# Allegro board Learn.brd (continued)
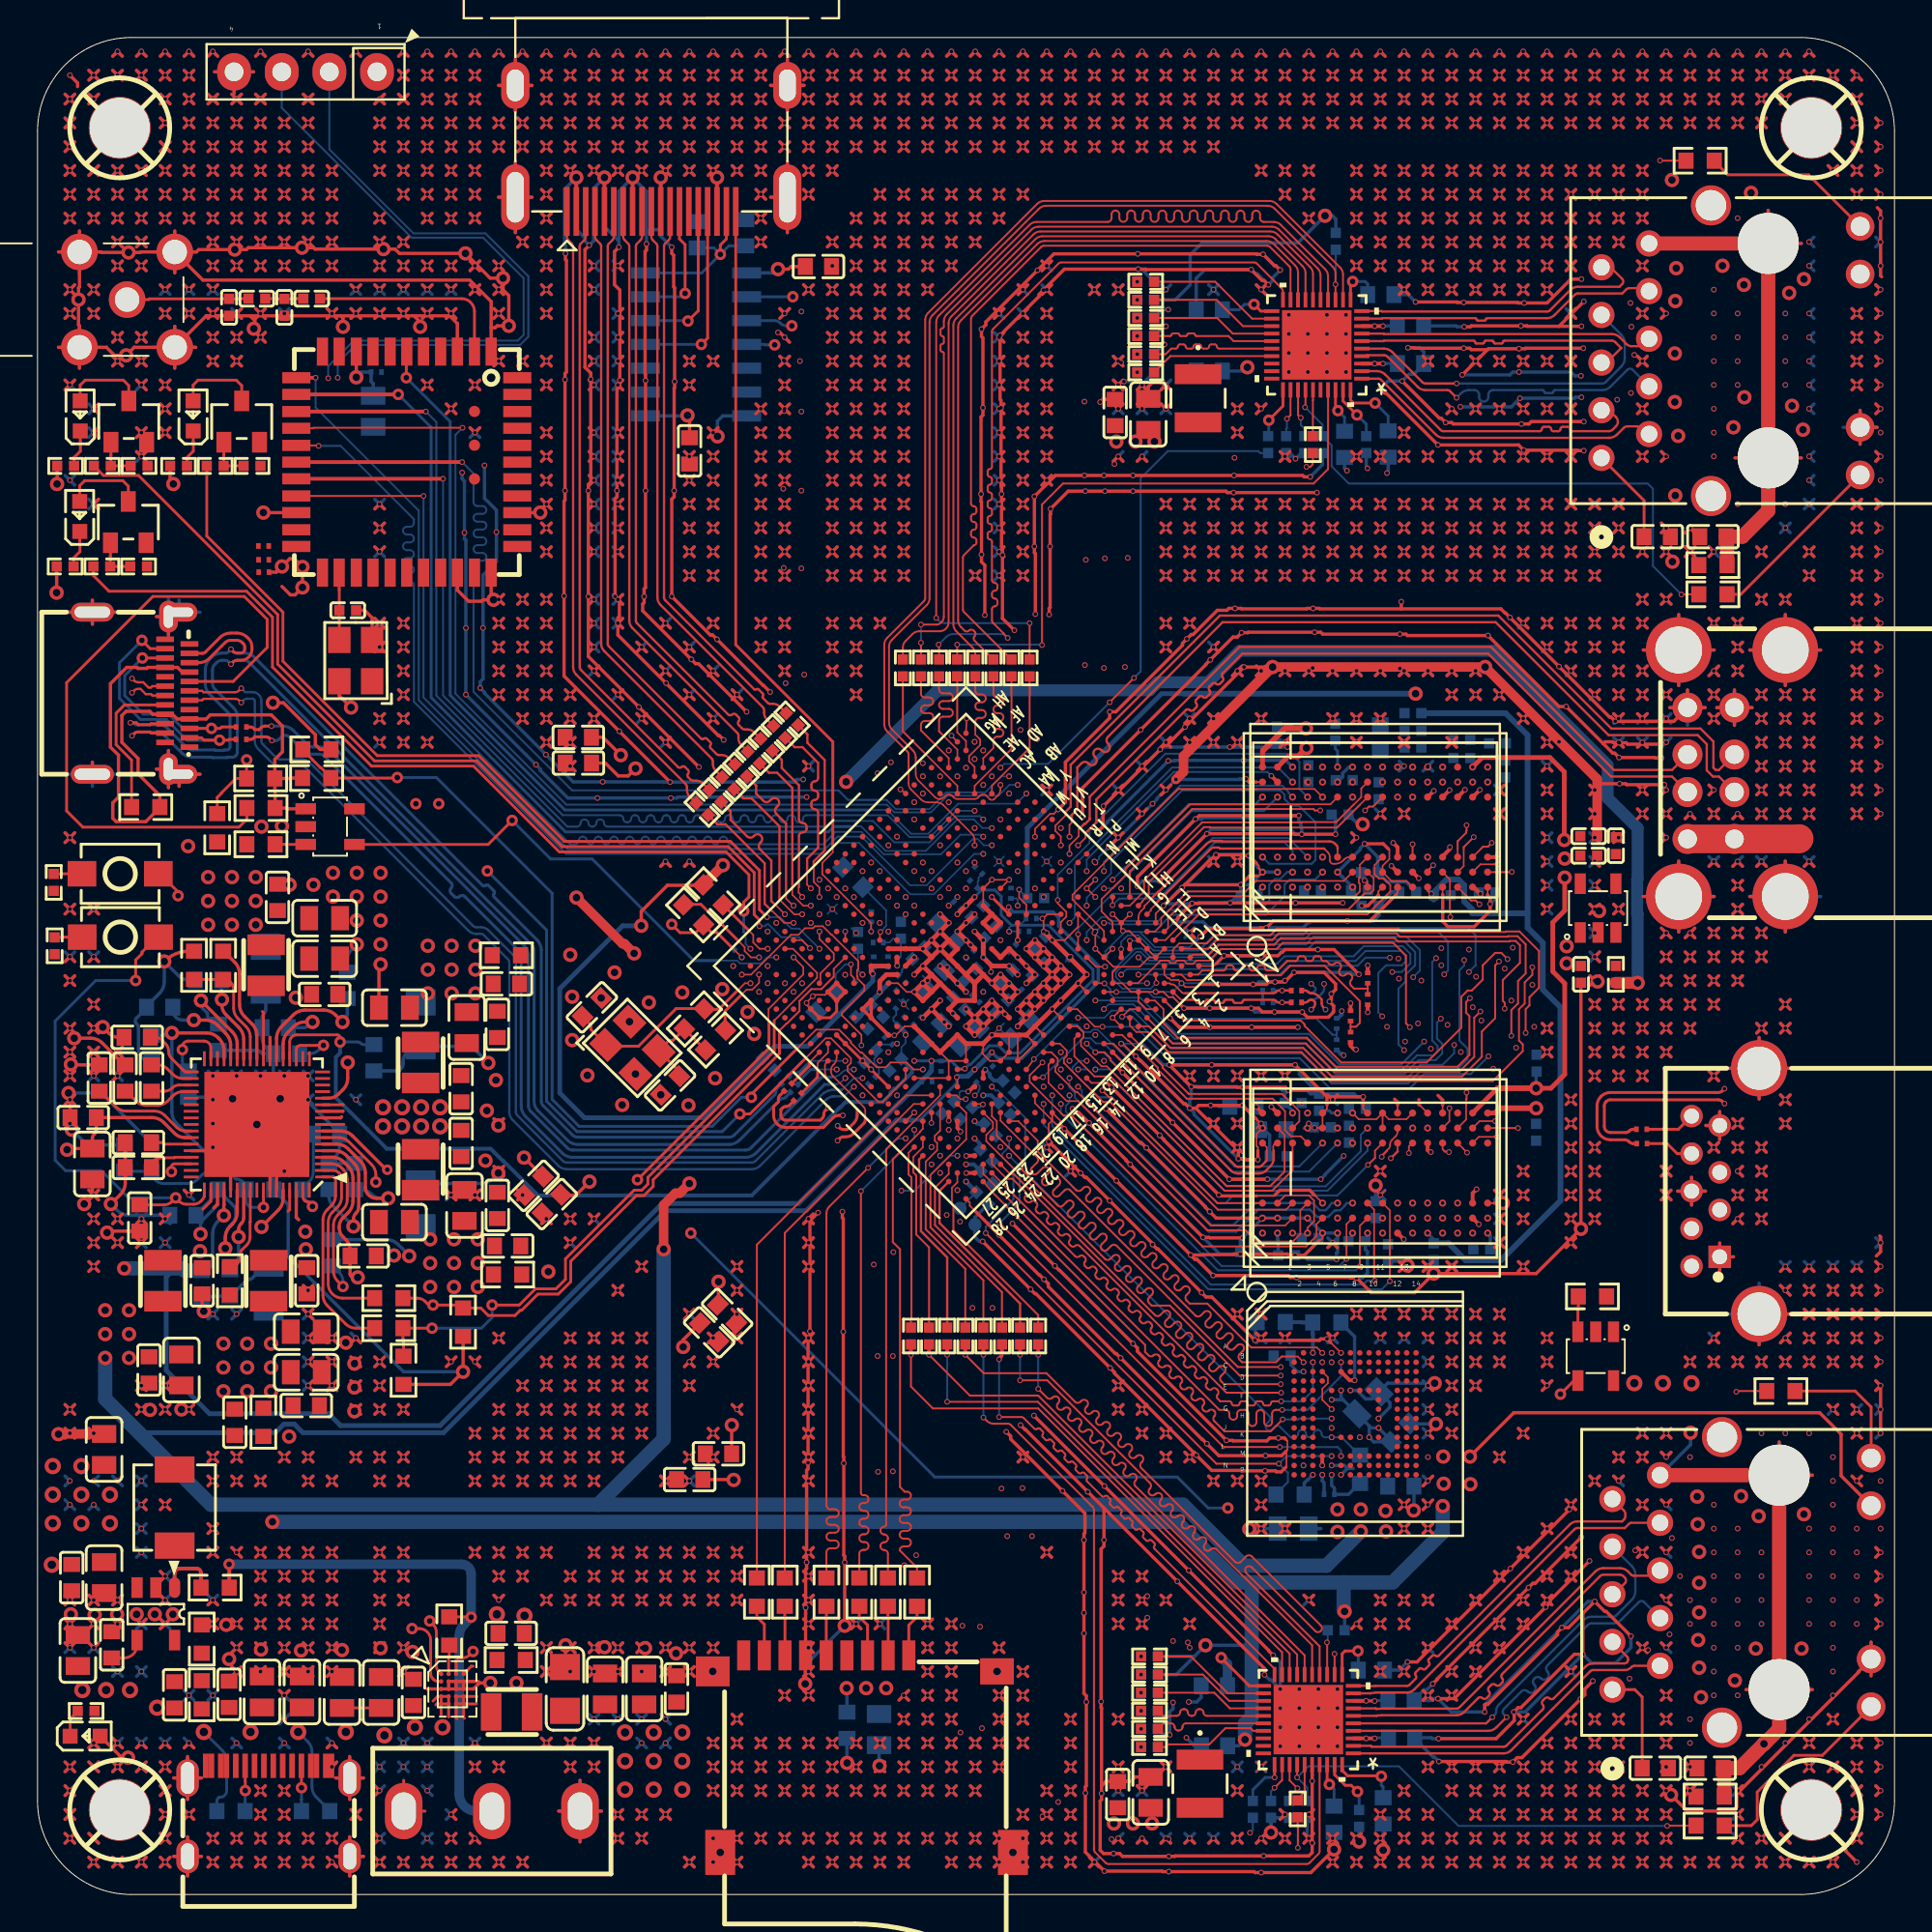
[diagram p0: board, top side]
## Routing (per net, layer and track width the routed paths; a pad name or vN(x,y) marks a point on that pad's centre or on a via; arc(x,y) is an arc through that point) (continued)
23.57,17.98 ; v1(23.31,18.23) 23.57,18.49 ; v1(23.31,18.23) 23.06,18.49 ; 9.09,85.8 v1(9.34,85.54) 9.6,85.8 ; 57.35,92.91 v1(57.6,93.16) ; v1(57.6,93.16) 57.86,92.91 ; v1(57.6,93.16) 57.35,93.42 ; v1(57.6,93.16) 57.86,93.42 ; 56.08,96.72 v1(56.33,96.97) ; v1(56.33,96.97) 56.59,97.23 ; v1(56.33,96.97) 56.08,97.23 ; v1(56.33,96.97) 56.59,96.72 ; 25.6,1.47 v1(25.85,1.72) ; v1(25.85,1.72) 26.11,1.47 ; v1(25.85,1.72) 26.11,1.98 ; v1(25.85,1.72) 25.6,1.98 ; 4.01,82.75 v1(4.26,83) ; v1(4.26,83) 4.52,82.75 ; v1(4.26,83) 4.52,83.26 ; v1(4.26,83) 4.01,83.26 ; 35.76,62.94 v1(36.01,62.68) ; v1(36.01,62.68) 36.27,62.43 ; v1(36.01,62.68) 35.76,62.43 ; 66.24,91.64 v1(66.49,91.89) ; v1(66.49,91.89) 66.24,92.15 ; v1(66.49,91.89) 66.75,92.15 ; v1(66.49,91.89) 66.75,91.64 ; v1(62.68,41.09) 62.94,40.84 ; v1(62.68,41.09) 62.43,41.35 ; v1(62.68,41.09) 62.94,41.35 ; v1(62.68,41.09) 62.43,40.84 ; 17.98,73.1 v1(18.23,72.84) ; v1(18.23,72.84) 17.98,72.59 ; v1(18.23,72.84) 18.49,73.1 ; v1(18.23,72.84) 18.49,72.59 ; v1(89.35,57.6) 89.61,57.86 ; v1(89.35,57.6) 89.61,57.35 ; v1(89.35,57.6) 89.1,57.35 ; v1(89.35,57.6) 89.1,57.86 ; v1(27.12,95.7) 27.38,95.45 ; v1(27.12,95.7) 26.87,95.96 ; v1(27.12,95.7) 26.87,95.45 ; v1(27.12,95.7) 27.38,95.96 ; v1(46.17,1.72) 46.43,1.98 ; v1(46.17,1.72) 46.43,1.47 ; v1(46.17,1.72) 45.92,1.47 ; v1(46.17,1.72) 45.92,1.98 ; 19.25,64.97 v1(19.5,65.22) ; v1(19.5,65.22) 19.76,65.48 ; v1(19.5,65.22) 19.25,65.48 ; v1(19.5,65.22) 19.76,64.97 ; 81.48,95.45 v1(81.73,95.7) ; v1(81.73,95.7) 81.99,95.96 ; v1(81.73,95.7) 81.99,95.45 ; v1(81.73,95.7) 81.48,95.96 ; 9.09,3.25 v1(9.34,2.99) ; v1(9.34,2.99) 9.6,2.74 ; v1(9.34,2.99) 9.6,3.25 ; v1(9.34,2.99) 9.09,2.74 ; v1(43.63,72.84) 43.89,72.59 ; v1(43.63,72.84) 43.89,73.1 ; v1(43.63,72.84) 43.38,72.59 ; v1(43.63,72.84) 43.38,73.1 ; 63.7,78.94 v1(63.95,79.19) ; v1(63.95,79.19) 64.21,79.45 ; v1(63.95,79.19) 63.7,79.45 ; v1(63.95,79.19) 64.21,78.94 ; 67.51,71.83 v1(67.76,71.57) ; v1(67.76,71.57) 68.02,71.83 ; v1(67.76,71.57) 68.02,71.32 ; v1(67.76,71.57) 67.51,71.32 ; 85.29,20.52 v1(85.54,20.77) ; v1(85.54,20.77) 85.8,20.52 ; v1(85.54,20.77) 85.8,21.03 ; v1(85.54,20.77) 85.29,21.03 ; 24.33,24.33 v1(24.58,24.58) ; v1(24.58,24.58) 24.33,24.84 ; v1(24.58,24.58) 24.84,24.33 ; v1(24.58,24.58) 24.84,24.84 ; v1(79.19,90.62) 79.45,90.88 ; v1(79.19,90.62) 78.94,90.37 ; v1(79.19,90.62) 79.45,90.37 ; v1(79.19,90.62) 78.94,90.88 ; v1(65.22,2.99) 65.48,3.25 ; v1(65.22,2.99) 64.97,2.74 ; v1(65.22,2.99) 65.48,2.74 ; v1(52.52,84.27) 52.78,84.02 ; v1(52.52,84.27) 52.27,84.02 ; v1(52.52,84.27) 52.78,84.53 ; 40.84,29.41 v1(41.09,29.66) ; v1(41.09,29.66) 40.84,29.92 ; v1(41.09,29.66) 41.35,29.92 ; v1(41.09,29.66) 41.35,29.41 ; v1(22.04,90.62) 22.3,90.37 ; v1(22.04,90.62) 21.79,90.37 ; v1(22.04,90.62) 21.79,90.88 ; v1(22.04,90.62) 22.3,90.88 ; 14.17,14.68 v1(14.42,14.42) ; v1(14.42,14.42) 14.68,14.17 ; v1(14.42,14.42) 14.68,14.68 ; v1(14.42,14.42) 14.17,14.17 ; 45.92,86.56 v1(46.17,86.81) ; v1(46.17,86.81) 45.92,87.07 ; v1(46.17,86.81) 46.43,86.56 ; v1(46.17,86.81) 46.43,87.07 ; v1(53.79,95.7) 54.05,95.45 ; v1(53.79,95.7) 54.05,95.96 ; v1(53.79,95.7) 53.54,95.96 ; v1(53.79,95.7) 53.54,95.45 ; v1(76.65,94.43) 76.91,94.69 ; v1(76.65,94.43) 76.91,94.18 ; v1(76.65,94.43) 76.4,94.18 ; v1(76.65,94.43) 76.4,94.69 ; 51.51,97.99 v1(51.25,98.24) 51,97.99 ; v1(93.16,28.39) 93.42,28.65 ; v1(93.16,28.39) 92.91,28.65 ; v1(93.16,28.39) 92.91,28.14 ; v1(93.16,28.39) 93.42,28.14 ; v1(93.16,60.14) 93.42,59.89 ; v1(93.16,60.14) 93.42,60.4 ; v1(93.16,60.14) 92.91,59.89 ; v1(93.16,60.14) 92.91,60.4 ; v1(28.39,25.85) 28.65,25.6 ; v1(28.39,25.85) 28.14,25.6 ; v1(28.39,25.85) 28.65,26.11 ; v1(28.39,25.85) 28.14,26.11 ; 78.94,5.79 v1(79.19,5.53) ; v1(79.19,5.53) 78.94,5.28 ; v1(79.19,5.53) 79.45,5.79 ; v1(79.19,5.53) 79.45,5.28 ; v1(15.69,28.39) 15.95,28.14 ; v1(15.69,28.39) 15.44,28.65 ; v1(15.69,28.39) 15.95,28.65 ; v1(15.69,28.39) 15.44,28.14 ; 84.02,68.02 v1(84.27,67.76) ; v1(84.27,67.76) 84.53,67.51 ; v1(84.27,67.76) 84.53,68.02 ; v1(84.27,67.76) 84.02,67.51 ; v1(75.38,1.72) 75.64,1.47 ; v1(75.38,1.72) 75.13,1.47 ; v1(75.38,1.72) 75.64,1.98 ; v1(75.38,1.72) 75.13,1.98 ; 33.22,65.48 v1(33.47,65.22) ; v1(33.47,65.22) 33.73,64.97 ; v1(33.47,65.22) 33.22,64.97 ; 95.45,32.46 v1(95.7,32.2) ; v1(95.7,32.2) 95.45,31.95 ; v1(95.7,32.2) 95.96,32.46 ; v1(95.7,32.2) 95.96,31.95 ; 86.56,5.28 v1(86.81,5.53) ; v1(86.81,5.53) 87.07,5.79 ; v1(86.81,5.53) 86.56,5.79 ; v1(86.81,5.53) 87.07,5.28 ; 28.92,2.8 SW1.3 ; SW1.3 30.06,4.45 ; SW1.3 27.78,4.45 ; SW1.3 28.92,6.09 ; v1(36.01,29.66) 36.27,29.41 ; v1(36.01,29.66) 35.76,29.92 ; v1(36.01,29.66) 36.27,29.92 ; v1(36.01,29.66) 35.76,29.41 ; v1(77.92,30.93) 78.18,30.68 ; v1(77.92,30.93) 77.67,31.19 ; v1(77.92,30.93) 78.18,31.19 ; v1(77.92,30.93) 77.67,30.68 ; v1(94.43,32.2) 94.69,31.95 ; v1(94.43,32.2) 94.18,32.46 ; v1(94.43,32.2) 94.18,31.95 ; v1(94.43,32.2) 94.69,32.46 ; v1(75.38,6.8) 75.64,6.55 ; v1(75.38,6.8) 75.13,7.06 ; v1(75.38,6.8) 75.13,6.55 ; v1(75.38,6.8) 75.64,7.06 ; 68.78,1.98 v1(69.03,1.72) ; v1(69.03,1.72) 68.78,1.47 ; v1(69.03,1.72) 69.29,1.47 ; v1(69.03,1.72) 69.29,1.98 ; 3.25,13.41 v1(2.99,13.15) 2.74,13.41 ; v1(5.53,76.65) 5.79,76.91 ; v1(5.53,76.65) 5.28,76.91 ; v1(5.53,76.65) 5.79,76.4 ; 31.95,27.38 v1(32.2,27.12) ; v1(32.2,27.12) 31.95,26.87 ; v1(32.2,27.12) 32.46,26.87 ; v1(32.2,27.12) 32.46,27.38 ; v1(44.9,77.92) 45.16,78.18 ; v1(44.9,77.92) 45.16,77.67 ; v1(44.9,77.92) 44.65,77.67 ; v1(44.9,77.92) 44.65,78.18 ; v1(36.01,18.23) 36.27,18.49 ; v1(36.01,18.23) 36.27,17.98 ; v1(36.01,18.23) 35.76,18.49 ; v1(36.01,18.23) 35.76,17.98 ; v1(19.5,67.76) 19.76,67.51 ; v1(19.5,67.76) 19.25,67.51 ; v1(19.5,67.76) 19.25,68.02 ; v1(19.5,67.76) 19.76,68.02 ; v1(15.69,2.99) 15.95,2.74 ; v1(15.69,2.99) 15.95,3.25 ; v1(15.69,2.99) 15.44,3.25 ; v1(15.69,2.99) 15.44,2.74 ; v1(41.09,1.72) 41.35,1.98 ; v1(41.09,1.72) 41.35,1.47 ; v1(41.09,1.72) 40.84,1.98 ; v1(41.09,1.72) 40.84,1.47 ; 80.21,4.01 v1(80.46,4.26) ; v1(80.46,4.26) 80.21,4.52 ; v1(80.46,4.26) 80.72,4.52 ; v1(80.46,4.26) 80.72,4.01 ; 97.99,62.94 v1(98.24,62.68) 97.99,62.43 ; 29.41,17.22 v1(29.66,16.96) ; v1(29.66,16.96) 29.92,17.22 ; v1(29.66,16.96) 29.92,16.71 ; v1(29.66,16.96) 29.41,16.71 ; 75.13,26.87 v1(75.38,27.12) ; v1(75.38,27.12) 75.64,27.38 ; v1(75.38,27.12) 75.64,26.87 ; v1(75.38,27.12) 75.13,27.38 ; 44.65,14.17 v1(44.9,14.42) 44.65,14.68 ; v1(76.65,95.7) 76.91,95.96 ; v1(76.65,95.7) 76.4,95.45 ; v1(76.65,95.7) 76.4,95.96 ; v1(76.65,95.7) 76.91,95.45 ; 10.36,12.9 v1(10.61,13.15) ; v1(10.61,13.15) 10.87,12.9 ; v1(10.61,13.15) 10.36,13.41 ; v1(10.61,13.15) 10.87,13.41 ; 40.84,5.28 v1(41.09,5.53) ; v1(41.09,5.53) 41.35,5.79 ; v1(41.09,5.53) 41.35,5.28 ; v1(41.09,5.53) 40.84,5.79 ; 60.91,47.44 v1(61.11,47.24) v1(62.48,47.24) v1(64.69,47.24) 65.09,47.24 65.29,47.04 v1(65.94,47.04) v1(67.41,47.04) 67.69,46.76 68.81,46.76 69.06,47.02 69.06,47.04 69.09,47.07 69.09,47.37 v1(68.86,47.6) 68.96,47.7 v1(68.96,48.01) 69.19,48.24 69.19,48.54 68.58,49.15 v1(66.98,49.15) 66.47,48.64 v1(65.96,48.64) 65.64,48.64 65.51,48.51 v1(64.8,48.51) v1(62.94,48.51) 61.98,48.51 ; 82.75,47.19 v1(83,47.44) ; v1(83,47.44) 83.26,47.19 ; v1(83,47.44) 82.75,47.7 ; v1(83,47.44) 83.26,47.7 ; 30.68,96.72 v1(30.93,96.97) ; v1(30.93,96.97) 31.19,97.23 ; v1(30.93,96.97) 30.68,97.23 ; v1(30.93,96.97) 31.19,96.72 ; 66.24,4.52 v1(66.49,4.26) 66.24,4.01 ; v1(4.26,96.97) 4.52,96.72 ; v1(4.26,96.97) 4.01,96.72 ; v1(4.26,96.97) 4.52,97.23 ; v1(4.26,96.97) 4.01,97.23 ; 17.22,97.99 v1(16.96,98.24) 16.71,97.99 ; 23.57,97.99 v1(23.31,98.24) 23.06,97.99 ; 95.45,7.06 v1(95.7,6.8) ; v1(95.7,6.8) 95.45,6.55 ; v1(95.7,6.8) 95.96,6.55 ; v1(95.7,6.8) 95.96,7.06 ; v1(33.47,11.88) 33.73,11.63 ; v1(33.47,11.88) 33.73,12.14 ; v1(33.47,11.88) 33.22,12.14 ; v1(33.47,11.88) 33.22,11.63 ; 73.86,7.06 v1(74.11,6.8) ; v1(74.11,6.8) 73.86,6.55 ; v1(74.11,6.8) 74.37,7.06 ; v1(74.11,6.8) 74.37,6.55 ; 19.25,97.99 v1(19.5,98.24) 19.76,97.99 ; v1(84.27,47.44) 84.53,47.19 ; v1(84.27,47.44) 84.02,47.19 ; v1(84.27,47.44) 84.53,47.7 ; v1(84.27,47.44) 84.02,47.7 ; 97.99,67.51 v1(98.24,67.76) 97.99,68.02 ; U15.20 v3(12.04,73.66) ; 17.98,91.64 v1(18.23,91.89) ; v1(18.23,91.89) 18.49,92.15 ; v1(18.23,91.89) 18.49,91.64 ; v1(18.23,91.89) 17.98,92.15 ; 21.79,37.54 v1(22.04,37.28) ; v1(22.04,37.28) 22.3,37.03 ; v1(22.04,37.28) 22.3,37.54 ; v1(77.92,1.72) 78.18,1.47 ; v1(77.92,1.72) 78.18,1.98 ; v1(77.92,1.72) 77.67,1.47 ; v1(77.92,1.72) 77.67,1.98 ; 47.7,97.99 v1(47.44,98.24) 47.19,97.99 ; C27.2 18.2,49.49 v3(18.29,49.58) ; v1(76.05,83.57) 76.38,83.57 76.43,83.62 v1(79.07,83.62) 79.4,83.62 79.42,83.59 81.1,83.59 ; 12.14,97.99 v1(11.88,98.24) 11.63,97.99 ; v1(74.11,96.97) 74.37,97.23 ; v1(74.11,96.97) 74.37,96.72 ; v1(74.11,96.97) 73.86,96.72 ; v1(74.11,96.97) 73.86,97.23 ; 81.48,66.75 v1(81.73,66.49) ; v1(81.73,66.49) 81.48,66.24 ; v1(81.73,66.49) 81.99,66.75 ; v1(81.73,66.49) 81.99,66.24 ; 76.4,97.23 v1(76.65,96.97) ; v1(76.65,96.97) 76.4,96.72 ; v1(76.65,96.97) 76.91,96.72 ; v1(76.65,96.97) 76.91,97.23 ; 18.49,85.8 v1(18.23,85.54) 17.98,85.8 ; 62.43,61.16 v1(62.68,61.41) ; v1(62.68,61.41) 62.94,61.67 ; v1(62.68,61.41) 62.94,61.16 ; v1(62.68,61.41) 62.43,61.67 ; 87.07,97.99 v1(86.81,98.24) 86.56,97.99 ; 77.67,5.28 v1(77.92,5.53) ; v1(77.92,5.53) 77.67,5.79 ; v1(77.92,5.53) 78.18,5.28 ; v1(77.92,5.53) 78.18,5.79 ; 39.57,93.42 v1(39.82,93.16) ; v1(39.82,93.16) 39.57,92.91 ; v1(39.82,93.16) 40.08,92.91 ; v1(39.82,93.16) 40.08,93.42 ; 94.69,54.81 v1(94.43,55.06) 94.18,54.81 ; v1(74.65,10.44) 75.51,10.44 v1(80.39,15.32) 80.62,15.55 80.62,15.68 v1(82.73,17.78) ; U22.3 7.32,86.44 ; U22.3 7.32,88.67 ; v1(27.12,84.27) 27.38,84.53 ; v1(27.12,84.27) 27.38,84.02 ; v1(27.12,84.27) 26.87,84.02 ; v1(27.12,84.27) 26.87,84.53 ; v1(29.66,62.68) 29.92,62.43 ; v1(29.66,62.68) 29.41,62.94 ; v1(29.66,62.68) 29.41,62.43 ; v1(29.66,62.68) 29.92,62.94 ; 80.21,78.94 v1(80.46,79.19) ; v1(80.46,79.19) 80.72,79.45 ; v1(80.46,79.19) 80.72,78.94 ; v1(80.46,79.19) 80.21,79.45 ; 26.87,63.7 v1(27.12,63.95) ; v1(27.12,63.95) 26.87,64.21 ; v1(27.12,63.95) 27.38,64.21 ; v1(27.12,63.95) 27.38,63.7 ; v1(18.23,66.49) 18.49,66.75 ; v1(18.23,66.49) 17.98,66.75 ; v1(18.23,66.49) 18.49,66.24 ; v1(18.23,66.49) 17.98,66.24 ; 86.56,51.51 v1(86.81,51.25) ; v1(86.81,51.25) 86.56,51 ; v1(86.81,51.25) 87.07,51 ; v1(75.38,88.08) 75.64,87.83 ; v1(75.38,88.08) 75.64,88.34 ; v1(75.38,88.08) 75.13,88.34 ; v1(75.38,88.08) 75.13,87.83 ; 24.33,41.35 v1(24.58,41.09) ; v1(24.58,41.09) 24.33,40.84 ; v1(24.58,41.09) 24.84,40.84 ; v1(24.58,41.09) 24.84,41.35 ; v1(65.86,12.75) 65.63,12.98 65.63,13.01 v1(61.37,17.27) v1(56.87,21.77) v1(53.11,25.53) ; 47.19,86.56 v1(47.44,86.81) ; v1(47.44,86.81) 47.7,87.07 ; v1(47.44,86.81) 47.19,87.07 ; v1(47.44,86.81) 47.7,86.56 ; 31.95,11.63 v1(32.2,11.88) ; v1(32.2,11.88) 31.95,12.14 ; v1(32.2,11.88) 32.46,11.63 ; v1(32.2,11.88) 32.46,12.14 ; 21.79,97.23 v1(22.04,96.97) ; v1(22.04,96.97) 22.3,96.72 ; v1(22.04,96.97) 22.3,97.23 ; v1(22.04,96.97) 21.79,96.72 ; v1(89.35,29.66) 89.61,29.41 ; v1(89.35,29.66) 89.61,29.92 ; v1(89.35,29.66) 89.1,29.41 ; 73.86,21.79 v1(74.11,22.04) 74.37,22.3 ; v1(81.73,90.62) 81.99,90.88 ; v1(81.73,90.62) 81.48,90.37 ; v1(81.73,90.62) 81.99,90.37 ; v1(81.73,90.62) 81.48,90.88 ; 90.37,2.74 v1(90.62,2.99) ; v1(90.62,2.99) 90.88,3.25 ; v1(90.62,2.99) 90.88,2.74 ; v1(4.26,43.63) 4.52,43.89 ; v1(4.26,43.63) 4.01,43.89 ; v1(4.26,43.63) 4.01,43.38 ; v1(38.55,93.16) 38.81,92.91 ; v1(38.55,93.16) 38.81,93.42 ; v1(38.55,93.16) 38.3,92.91 ; v1(38.55,93.16) 38.3,93.42 ; v1(96.97,60.14) 97.23,59.89 ; v1(96.97,60.14) 96.72,59.89 ; v1(96.97,60.14) 96.72,60.4 ; v1(96.97,60.14) 97.23,60.4 ; v1(30.99,87.81) 30.76,87.58 30.76,85.81 31.04,85.52 v1(31.04,80.72) 31.04,80.39 30.89,80.24 v1(30.89,74.83) 30.89,74.5 30.78,74.4 v1(30.78,69.19) 31.02,68.96 31.02,68.13 30.94,68.05 30.94,67.13 v1(33.5,64.57) 36.29,61.78 36.34,61.78 v1(36.58,61.54) ; 29.41,73.1 v1(29.66,72.84) 29.41,72.59 ; v1(84.27,66.49) 84.53,66.24 ; v1(84.27,66.49) 84.02,66.75 ; v1(84.27,66.49) 84.02,66.24 ; v1(84.27,66.49) 84.53,66.75 ; 5.28,7.82 v1(5.53,8.07) 5.79,7.82 ; 34.49,18.49 v1(34.74,18.23) ; v1(34.74,18.23) 34.49,17.98 ; v1(34.74,18.23) 35,18.49 ; v1(34.74,18.23) 35,17.98 ; v1(74.11,33.47) 74.37,33.22 ; v1(74.11,33.47) 73.86,33.73 ; v1(74.11,33.47) 73.86,33.22 ; v1(74.11,33.47) 74.37,33.73 ; v1(9.34,19.5) 9.6,19.25 ; v1(9.34,19.5) 9.09,19.76 ; v1(9.34,19.5) 9.6,19.76 ; v1(9.34,19.5) 9.09,19.25 ; 10.36,95.45 v1(10.61,95.7) ; v1(10.61,95.7) 10.87,95.96 ; v1(10.61,95.7) 10.36,95.96 ; v1(10.61,95.7) 10.87,95.45 ; 24.33,65.48 v1(24.58,65.22) ; v1(24.58,65.22) 24.84,65.48 ; v1(24.58,65.22) 24.84,64.97 ; v1(24.58,65.22) 24.33,64.97 ; v1(2.99,37.28) 3.25,37.03 ; v1(2.99,37.28) 2.74,37.03 ; v1(2.99,37.28) 2.74,37.54 ; v1(2.99,37.28) 3.25,37.54 ; 71.32,70.05 v1(71.57,70.3) ; v1(71.57,70.3) 71.83,70.56 ; v1(71.57,70.3) 71.83,70.05 ; v1(71.57,70.3) 71.32,70.56 ; v1(28.39,28.39) 28.65,28.65 ; v1(28.39,28.39) 28.65,28.14 ; v1(28.39,28.39) 28.14,28.14 ; v1(28.39,28.39) 28.14,28.65 ; v1(38.55,71.57) 38.81,71.83 ; v1(38.55,71.57) 38.3,71.32 ; v1(38.55,71.57) 38.81,71.32 ; v1(38.55,71.57) 38.3,71.83 ; 14.17,87.07 v1(14.42,86.81) ; v1(14.42,86.81) 14.68,86.56 ; v1(14.42,86.81) 14.68,87.07 ; v1(14.42,86.81) 14.17,86.56 ; 71.32,89.1 v1(71.57,89.35) ; v1(71.57,89.35) 71.83,89.61 ; v1(71.57,89.35) 71.32,89.61 ; v1(71.57,89.35) 71.83,89.1 ; v1(18.23,67.76) 18.49,68.02 ; v1(18.23,67.76) 17.98,67.51 ; v1(18.23,67.76) 17.98,68.02 ; v1(18.23,67.76) 18.49,67.51 ; 64.21,97.99 v1(63.95,98.24) 63.7,97.99 ; 49.73,93.42 v1(49.98,93.16) ; v1(49.98,93.16) 50.24,93.42 ; v1(49.98,93.16) 50.24,92.91 ; v1(49.98,93.16) 49.73,92.91 ; v1(23.31,94.43) 23.57,94.18 ; v1(23.31,94.43) 23.06,94.69 ; v1(23.31,94.43) 23.06,94.18 ; v1(23.31,94.43) 23.57,94.69 ; v1(80.46,28.39) 80.72,28.14 ; v1(80.46,28.39) 80.72,28.65 ; v1(80.46,28.39) 80.21,28.65 ; v1(80.46,28.39) 80.21,28.14 ; 72.34,42.39 72.5,42.23 72.5,42.09 ; 23.06,97.23 v1(23.31,96.97) ; v1(23.31,96.97) 23.06,96.72 ; v1(23.31,96.97) 23.57,96.72 ; v1(23.31,96.97) 23.57,97.23 ; 6.55,15.44 v1(6.8,15.69) ; v1(6.8,15.69) 6.55,15.95 ; v1(6.8,15.69) 7.06,15.44 ; v1(48.71,13.15) 48.97,13.41 ; v1(48.71,13.15) 48.46,12.9 ; v1(48.71,13.15) 48.97,12.9 ; v1(48.71,13.15) 48.46,13.41 ; v1(44.9,74.11) 45.16,73.86 ; v1(44.9,74.11) 45.16,74.37 ; v1(44.9,74.11) 44.65,73.86 ; v1(44.9,74.11) 44.65,74.37 ; 86.56,95.96 v1(86.81,95.7) ; v1(86.81,95.7) 87.07,95.96 ; v1(86.81,95.7) 87.07,95.45 ; v1(86.81,95.7) 86.56,95.45 ; v1(2.99,14.42) 3.25,14.17 ; v1(2.99,14.42) 2.74,14.68 ; v1(2.99,14.42) 3.25,14.68 ; v1(2.99,14.42) 2.74,14.17 ; 11.63,17.22 v1(11.88,16.96) ; v1(11.88,16.96) 11.63,16.71 ; v1(11.88,16.96) 12.14,16.71 ; v1(11.88,16.96) 12.14,17.22 ; v1(72.84,86.81) 73.1,86.56 ; v1(72.84,86.81) 72.59,86.56 ; v1(72.84,86.81) 72.59,87.07 ; v1(72.84,86.81) 73.1,87.07 ; 40.84,97.99 v1(41.09,98.24) 41.35,97.99 ; 28.14,29.92 v1(28.39,29.66) ; v1(28.39,29.66) 28.14,29.41 ; v1(28.39,29.66) 28.65,29.92 ; v1(28.39,29.66) 28.65,29.41 ; 74.37,28.14 v1(74.11,28.39) 74.37,28.65 ; 71.32,71.32 v1(71.57,71.57) ; v1(71.57,71.57) 71.83,71.83 ; v1(71.57,71.57) 71.83,71.32 ; v1(71.57,71.57) 71.32,71.83 ; 86.56,23.57 v1(86.81,23.31) 87.07,23.57 ; 90.88,5.79 v1(90.62,5.53) 90.88,5.28 ; 81.48,97.99 v1(81.73,98.24) 81.99,97.99 ; 57.35,79.45 v1(57.6,79.19) 57.86,79.45 ; v1(41.09,23.31) 41.35,23.57 ; v1(41.09,23.31) 40.84,23.06 ; v1(41.09,23.31) 40.84,23.57 ; v1(41.09,23.31) 41.35,23.06 ; v1(89.35,62.68) 89.61,62.94 ; v1(89.35,62.68) 89.1,62.43 ; v1(89.35,62.68) 89.1,62.94 ; v1(89.35,62.68) 89.61,62.43 ; J2.4 11.52,97.15 ; J2.4 9.44,97.15 ; J2.4 10.48,96.01 ; 26.87,61.16 v1(27.12,61.41) ; v1(27.12,61.41) 27.38,61.16 ; v1(27.12,61.41) 27.38,61.67 ; v1(27.12,61.41) 26.87,61.67 ; v1(33.47,4.26) 33.73,4.01 ; v1(33.47,4.26) 33.22,4.01 ; v1(33.47,4.26) 33.22,4.52 ; v1(33.47,4.26) 33.73,4.52 ; v1(80.46,6.8) 80.72,6.55 ; v1(80.46,6.8) 80.72,7.06 ; v1(80.46,6.8) 80.21,6.55 ; v1(80.46,6.8) 80.21,7.06 ; v1(96.97,67.76) 97.23,68.02 ; v1(96.97,67.76) 96.72,68.02 ; v1(96.97,67.76) 96.72,67.51 ; v1(96.97,67.76) 97.23,67.51 ; v1(53.92,68.22) 53.92,68.55 53.98,68.6 v1(53.98,71.86) 53.98,73.56 54,73.58 v1(54,73.86) 54.94,74.8 v1(55.85,74.8) v1(56.9,74.8) v1(58.39,74.8) 63.35,74.8 63.43,74.73 v1(63.75,74.73) v1(68.2,74.73) ; v1(43.63,1.72) 43.89,1.47 ; v1(43.63,1.72) 43.89,1.98 ; v1(43.63,1.72) 43.38,1.47 ; v1(43.63,1.72) 43.38,1.98 ; v1(80.46,61.41) 80.72,61.67 ; v1(80.46,61.41) 80.21,61.67 ; v1(80.46,61.41) 80.21,61.16 ; v1(80.46,61.41) 80.72,61.16 ; v1(1.72,5.53) 1.98,5.28 ; v1(1.72,5.53) 1.47,5.79 ; v1(1.72,5.53) 1.98,5.79 ; v1(1.72,5.53) 1.47,5.28 ; 84.02,8.33 v1(84.27,8.07) ; v1(84.27,8.07) 84.53,7.82 ; v1(84.27,8.07) 84.53,8.33 ; v1(84.27,8.07) 84.02,7.82 ; 74.37,24.33 v1(74.11,24.58) 74.37,24.84 ; 86.56,56.59 v1(86.81,56.33) 86.56,56.08 ; v1(5.53,88.08) 5.79,87.83 ; v1(5.53,88.08) 5.79,88.34 ; v1(5.53,88.08) 5.28,88.34 ; v1(5.53,88.08) 5.28,87.83 ; 62.43,72.59 v1(62.68,72.84) ; v1(62.68,72.84) 62.43,73.1 ; v1(62.68,72.84) 62.94,73.1 ; v1(62.68,72.84) 62.94,72.59 ; 93.42,97.99 v1(93.16,98.24) 92.91,97.99 ; 34.49,54.81 v1(34.74,55.06) 35,54.81 ; v1(39.82,10.61) 40.08,10.87 ; v1(39.82,10.61) 40.08,10.36 ; v1(39.82,10.61) 39.57,10.87 ; v1(39.82,10.61) 39.57,10.36 ; 64.97,22.3 v1(65.22,22.04) ; v1(65.22,22.04) 65.48,21.79 ; v1(65.22,22.04) 64.97,21.79 ; v1(65.22,22.04) 65.48,22.3 ; 90.37,95.96 v1(90.62,95.7) ; v1(90.62,95.7) 90.88,95.45 ; v1(90.62,95.7) 90.37,95.45 ; v1(90.62,95.7) 90.88,95.96 ; 97.99,84.53 v1(98.24,84.27) 97.99,84.02 ; 25.6,97.99 v1(25.85,98.24) 26.11,97.99 ; 75.13,61.16 v1(75.38,61.41) ; v1(75.38,61.41) 75.64,61.67 ; v1(75.38,61.41) 75.64,61.16 ; v1(75.38,61.41) 75.13,61.67 ; 61.16,92.91 v1(61.41,93.16) ; v1(61.41,93.16) 61.16,93.42 ; v1(61.41,93.16) 61.67,92.91 ; v1(61.41,93.16) 61.67,93.42 ; 61.67,97.99 v1(61.41,98.24) 61.16,97.99 ; v1(18.23,28.39) 18.49,28.65 ; v1(18.23,28.39) 17.98,28.65 ; v1(18.23,28.39) 18.49,28.14 ; v1(18.23,28.39) 17.98,28.14 ; 25.47,88.58 J1.21 ; J1.21 25.47,92.36 ; J1.21 26.36,90.47 ; J1.21 24.58,90.47 ; v1(18.23,93.16) 18.49,93.42 ; v1(18.23,93.16) 17.98,92.91 ; v1(18.23,93.16) 17.98,93.42 ; v1(18.23,93.16) 18.49,92.91 ; 26.87,66.24 v1(27.12,66.49) ; v1(27.12,66.49) 26.87,66.75 ; v1(27.12,66.49) 27.38,66.75 ; v1(27.12,66.49) 27.38,66.24 ; v1(72.84,71.57) 73.1,71.32 ; v1(72.84,71.57) 72.59,71.32 ; v1(72.84,71.57) 72.59,71.83 ; v1(72.84,71.57) 73.1,71.83 ; 33.22,68.02 v1(33.47,67.76) ; v1(33.47,67.76) 33.73,67.51 ; v1(33.47,67.76) 33.22,67.51 ; 84.02,1.47 v1(84.27,1.72) ; v1(84.27,1.72) 84.53,1.47 ; v1(84.27,1.72) 84.53,1.98 ; v1(84.27,1.72) 84.02,1.98 ; 28.14,17.22 v1(28.39,16.96) ; v1(28.39,16.96) 28.65,17.22 ; v1(28.39,16.96) 28.65,16.71 ; v1(28.39,16.96) 28.14,16.71 ; 21.79,1.98 v1(22.04,1.72) ; v1(22.04,1.72) 21.79,1.47 ; v1(22.04,1.72) 22.3,1.98 ; v1(22.04,1.72) 22.3,1.47 ; 81.1,83.59 v1(82.42,84.91) ; 81.1,83.59 v1(82.3,83.59) ; 24.33,22.3 v1(24.58,22.04) ; v1(24.58,22.04) 24.33,21.79 ; v1(24.58,22.04) 24.84,21.79 ; v1(24.58,22.04) 24.84,22.3 ; v1(70.43,49.05) 69.11,50.37 v1(68.25,50.37) 66.5,50.37 66.35,50.22 66.3,50.22 66.12,50.04 v1(65.61,50.04) v1(63.25,50.04) 62.83,49.62 ; 14.68,29.92 v1(14.42,29.66) 14.68,29.41 ; v1(47.44,5.53) 47.7,5.79 ; v1(47.44,5.53) 47.7,5.28 ; v1(47.44,5.53) 47.19,5.79 ; v1(47.44,5.53) 47.19,5.28 ; v1(28.39,93.16) 28.65,92.91 ; v1(28.39,93.16) 28.14,92.91 ; v1(28.39,93.16) 28.14,93.42 ; v1(28.39,93.16) 28.65,93.42 ; v1(77.92,4.26) 78.18,4.01 ; v1(77.92,4.26) 77.67,4.01 ; v1(77.92,4.26) 78.18,4.52 ; v1(77.92,4.26) 77.67,4.52 ; 85.29,2.74 v1(85.54,2.99) ; v1(85.54,2.99) 85.8,3.25 ; v1(85.54,2.99) 85.8,2.74 ; v1(85.54,2.99) 85.29,3.25 ; 31.19,86.56 v1(30.93,86.81) 31.19,87.07 ; 31.19,81.99 v1(30.93,81.73) 31.19,81.48 ; U17.C6 2.92,60.35 ; 92.91,33.22 v1(93.16,33.47) 93.42,33.22 ; 49.73,6.55 v1(49.98,6.8) ; v1(49.98,6.8) 50.24,6.55 ; v1(49.98,6.8) 50.24,7.06 ; v1(49.98,6.8) 49.73,7.06 ; v1(76.65,15.69) 76.91,15.95 ; v1(76.65,15.69) 76.4,15.95 ; v1(76.65,15.69) 76.4,15.44 ; v1(76.65,15.69) 76.91,15.44 ; 51,95.45 v1(51.25,95.7) ; v1(51.25,95.7) 51.51,95.45 ; v1(51.25,95.7) 51.51,95.96 ; v1(51.25,95.7) 51,95.96 ; 78.18,58.62 v1(77.92,58.87) 78.18,59.13 ; v1(36.01,76.65) 36.27,76.4 ; v1(36.01,76.65) 35.76,76.4 ; v1(36.01,76.65) 35.76,76.91 ; v1(36.01,76.65) 36.27,76.91 ; 39.57,83.26 v1(39.82,83) 40.08,82.75 ; 52.27,97.99 v1(52.52,98.24) 52.78,97.99 ; 59.89,73.86 v1(60.14,74.11) ; v1(60.14,74.11) 59.89,74.37 ; v1(60.14,74.11) 60.4,74.37 ; v1(60.14,74.11) 60.4,73.86 ; 90.88,57.35 v1(90.62,57.6) 90.37,57.35 ; 73.86,71.83 v1(74.11,71.57) ; v1(74.11,71.57) 74.37,71.83 ; v1(74.11,71.57) 73.86,71.32 ; v1(74.11,71.57) 74.37,71.32 ; v1(29.66,28.39) 29.92,28.65 ; v1(29.66,28.39) 29.41,28.14 ; v1(29.66,28.39) 29.41,28.65 ; v1(29.66,28.39) 29.92,28.14 ; 21.03,97.99 v1(20.77,98.24) 20.52,97.99 ; v1(33.47,94.43) 33.73,94.69 ; v1(33.47,94.43) 33.73,94.18 ; v1(33.47,94.43) 33.22,94.69 ; v1(33.47,94.43) 33.22,94.18 ; 23.06,37.03 v1(23.31,37.28) ; v1(23.31,37.28) 23.06,37.54 ; v1(23.31,37.28) 23.57,37.54 ; v1(23.31,37.28) 23.57,37.03 ; v1(52.52,1.72) 52.78,1.47 ; v1(52.52,1.72) 52.27,1.98 ; v1(52.52,1.72) 52.78,1.98 ; v1(52.52,1.72) 52.27,1.47 ; R134.2 15.06,61.04 14.81,61.29 14.81,61.82 13.11,63.53 v3(12.55,63.53) ; 17.98,15.44 v1(18.23,15.69) ; v1(18.23,15.69) 18.49,15.44 ; v1(18.23,15.69) 17.98,15.95 ; v1(18.23,15.69) 18.49,15.95 ; 75.13,14.17 v1(75.38,14.42) ; v1(75.38,14.42) 75.64,14.17 ; v1(75.38,14.42) 75.13,14.68 ; v1(75.38,14.42) 75.64,14.68 ; 73.66,42.09 73.63,42.12 73.63,42.37 ; 20.52,89.61 v1(20.77,89.35) ; v1(20.77,89.35) 21.03,89.61 ; v1(20.77,89.35) 20.52,89.1 ; v1(20.77,89.35) 21.03,89.1 ; 29.41,83.26 v1(29.66,83) 29.41,82.75 ; U15.31 22.38,69.53 22.98,68.94 23.67,68.94 23.75,69.01 v3(24.31,69.01) 24.18,69.14 U15.33 ; 69.29,29.92 v1(69.03,29.66) 68.78,29.92 ; U15.3 22.38,83.74 21.97,84.15 20.07,84.15 ; 17.98,5.79 v1(18.23,5.53) 17.98,5.28 ; v1(90.62,53.79) 90.88,54.05 ; v1(90.62,53.79) 90.88,53.54 ; v1(90.62,53.79) 90.37,53.54 ; v1(90.62,53.79) 90.37,54.05 ; 70.05,96.72 v1(70.3,96.97) ; v1(70.3,96.97) 70.56,97.23 ; v1(70.3,96.97) 70.56,96.72 ; v1(70.3,96.97) 70.05,97.23 ; 9.6,97.99 v1(9.34,98.24) 9.09,97.99 ; 54.81,94.69 v1(55.06,94.43) ; v1(55.06,94.43) 54.81,94.18 ; v1(55.06,94.43) 55.32,94.18 ; v1(55.06,94.43) 55.32,94.69 ; 98.02,34.04 98.24,34.26 v1(98.24,34.74) 98.24,35.05 98.2,35.1 ; v1(55.06,95.7) 55.32,95.96 ; v1(55.06,95.7) 54.81,95.45 ; v1(55.06,95.7) 55.32,95.45 ; v1(55.06,95.7) 54.81,95.96 ; v1(6.8,14.42) 7.06,14.68 ; v1(6.8,14.42) 6.55,14.17 ; v1(6.8,14.42) 6.55,14.68 ; 97.99,91.64 v1(98.24,91.89) 97.99,92.15 ; 52.27,81.48 v1(52.52,81.73) ; v1(52.52,81.73) 52.78,81.48 ; v1(52.52,81.73) 52.27,81.99 ; v1(52.52,81.73) 52.78,81.99 ; 72.59,1.98 v1(72.84,1.72) ; v1(72.84,1.72) 73.1,1.47 ; v1(72.84,1.72) 72.59,1.47 ; v1(72.84,1.72) 73.1,1.98 ; 51.51,75.64 v1(51.25,75.38) 51.51,75.13 ; 1.47,49.73 v1(1.72,49.98) 1.98,49.73 ; 23.06,3.25 v1(23.31,2.99) ; v1(23.31,2.99) 23.57,2.74 ; v1(23.31,2.99) 23.06,2.74 ; 6.55,94.69 v1(6.8,94.43) ; v1(6.8,94.43) 7.06,94.18 ; v1(6.8,94.43) 6.55,94.18 ; v1(6.8,94.43) 7.06,94.69 ; 97.99,17.98 v1(98.24,18.23) 97.99,18.49 ; v1(75.38,81.73) 75.64,81.99 ; v1(75.38,81.73) 75.13,81.99 ; v1(75.38,81.73) 75.64,81.48 ; v1(75.38,81.73) 75.13,81.48 ; 63.7,94.69 v1(63.95,94.43) ; v1(63.95,94.43) 64.21,94.18 ; v1(63.95,94.43) 64.21,94.69 ; v1(63.95,94.43) 63.7,94.18 ; 87.83,72.59 v1(88.08,72.84) 88.34,72.59 ; v1(41.09,93.16) 41.35,92.91 ; v1(41.09,93.16) 41.35,93.42 ; v1(41.09,93.16) 40.84,93.42 ; v1(41.09,93.16) 40.84,92.91 ; 80.21,97.99 v1(80.46,98.24) 80.72,97.99 ; v1(41.09,11.88) 41.35,12.14 ; v1(41.09,11.88) 40.84,11.63 ; v1(41.09,11.88) 41.35,11.63 ; v1(41.09,11.88) 40.84,12.14 ; 62.94,97.99 v1(62.68,98.24) 62.43,97.99 ; 96.72,33.22 v1(96.97,33.47) 97.23,33.22 ; 70.05,91.64 v1(70.3,91.89) ; v1(70.3,91.89) 70.05,92.15 ; v1(70.3,91.89) 70.56,91.64 ; v1(70.3,91.89) 70.56,92.15 ; v1(37.28,18.23) 37.54,18.49 ; v1(37.28,18.23) 37.03,17.98 ; v1(37.28,18.23) 37.03,18.49 ; v1(37.28,18.23) 37.54,17.98 ; v1(15.69,84.27) 15.95,84.53 ; v1(15.69,84.27) 15.44,84.53 ; v1(15.69,84.27) 15.95,84.02 ; v1(15.69,84.27) 15.44,84.02 ; 76.4,2.74 v1(76.65,2.99) ; v1(76.65,2.99) 76.4,3.25 ; v1(76.65,2.99) 76.91,3.25 ; v1(76.65,2.99) 76.91,2.74 ; C65.2 4.3,45.69 arc(4.04,45.74) 3.83,45.89 v3(3.48,46.24) ; v1(89.35,65.22) 89.61,64.97 ; v1(89.35,65.22) 89.1,64.97 ; v1(89.35,65.22) 89.61,65.48 ; v1(44.9,72.84) 45.16,72.59 ; v1(44.9,72.84) 44.65,73.1 ; v1(44.9,72.84) 44.65,72.59 ; v1(44.9,72.84) 45.16,73.1 ; v1(93.16,58.87) 93.42,58.62 ; v1(93.16,58.87) 92.91,58.62 ; v1(93.16,58.87) 92.91,59.13 ; v1(93.16,58.87) 93.42,59.13 ; v3(40.92,11.23) 40.94,11.25 U10.6 40.94,14.96 40.94,14.96 v1(40.94,15.29) 40.94,17.32 41,17.38 v1(41,17.7) 41,22.61 41.07,22.68 v1(41.07,23.01) 41.07,29.59 41.17,29.69 v1(41.17,30.02) 41.17,35.92 v1(41.61,36.35) ; v1(69.57,52.86) v1(67.06,52.86) v1(63.58,52.86) 61.9,52.86 61.87,52.83 v1(61.54,52.83) 60.81,52.09 60.81,52.04 60.61,51.85 ; v1(24.58,6.8) 24.84,6.55 ; v1(24.58,6.8) 24.84,7.06 ; v1(24.58,6.8) 24.33,7.06 ; v1(24.58,6.8) 24.33,6.55 ; 67.51,15.95 v1(67.76,15.69) ; v1(67.76,15.69) 68.02,15.95 ; v1(67.76,15.69) 68.02,15.44 ; 92.91,46.43 v1(93.16,46.17) ; v1(93.16,46.17) 92.91,45.92 ; v1(93.16,46.17) 93.42,45.92 ; v1(93.16,46.17) 93.42,46.43 ; 24.33,15.95 v1(24.58,15.69) 24.84,15.95 ; 2.74,43.89 v1(2.99,43.63) 3.25,43.89 ; 64.97,62.43 v1(65.22,62.68) ; v1(65.22,62.68) 65.48,62.94 ; v1(65.22,62.68) 65.48,62.43 ; v1(65.22,62.68) 64.97,62.94 ; 89.67,40.25 U21.4 ; U21.4 88.93,40.99 ; U21.4 89.67,41.73 ; 93.41,30.94 U21.10 91.77,29.3 ; 3.25,79.45 v1(2.99,79.19) 3.25,78.94 ; 86.56,59.13 v1(86.81,58.87) 86.56,58.62 ; v1(69.03,94.43) 69.29,94.69 ; v1(69.03,94.43) 68.78,94.69 ; v1(69.03,94.43) 69.29,94.18 ; v1(69.03,94.43) 68.78,94.18 ; v1(72.84,30.93) 73.1,31.19 ; v1(72.84,30.93) 73.1,30.68 ; v1(72.84,30.93) 72.59,30.68 ; v1(72.84,30.93) 72.59,31.19 ; v3(24.13,11.28) 23.56,11.28 ; v1(55.06,93.16) 55.32,93.42 ; v1(55.06,93.16) 54.81,92.91 ; v1(55.06,93.16) 55.32,92.91 ; v1(55.06,93.16) 54.81,93.42 ; v3(3.71,35.28) 3.79,35.36 C70.2 ; v1(2.99,2.99) 3.25,2.74 ; v1(2.99,2.99) 2.74,3.25 ; v1(2.99,2.99) 2.74,2.74 ; 14.68,28.14 v1(14.42,28.39) 14.68,28.65 ; 48.46,10.87 v1(48.71,10.61) ; v1(48.71,10.61) 48.46,10.36 ; v1(48.71,10.61) 48.97,10.87 ; v1(48.71,10.61) 48.97,10.36 ; 97.99,73.86 v1(98.24,74.11) 97.99,74.37 ; 78.94,97.99 v1(79.19,98.24) 79.45,97.99 ; 31.19,73.86 v1(30.93,74.11) 31.19,74.37 ; v1(32.46,87.99) 32.46,87.66 32.38,87.58 32.38,81.05 32.41,81.02 v1(32.41,80.7) v1(32.41,74.83) 32.41,69.67 32.33,69.59 v1(32.33,69.19) 32.33,68.86 32.26,68.79 32.26,68.43 v1(34.85,65.84) 35.08,65.6 35.23,65.6 v1(37.8,63.04) ; 96.72,4.01 v1(96.97,4.26) ; v1(96.97,4.26) 97.23,4.01 ; v1(96.97,4.26) 96.72,4.52 ; v1(96.97,4.26) 97.23,4.52 ; R18.2 8.08,50.28 arc(7.36,50.14) v3(6.76,49.73) ; 29.41,86.56 v1(29.66,86.81) 29.41,87.07 ; v1(90.62,4.26) 90.88,4.52 ; v1(90.62,4.26) 90.88,4.01 ; v1(90.62,4.26) 90.37,4.52 ; 61.16,2.74 v1(61.41,2.99) 61.67,2.74 ; 29.41,71.32 v1(29.66,71.57) 29.41,71.83 ; 97.99,85.8 v1(98.24,85.54) 97.99,85.29 ; v1(53.19,68.25) 53.19,71.48 53.14,71.53 v1(53.14,71.86) v1(53.14,74.52) 54.25,75.64 v1(55.8,75.64) v1(56.85,75.64) v1(58.39,75.64) v1(63.78,75.64) 67.44,75.64 67.52,75.56 v1(67.84,75.56) ; 97.99,7.82 v1(98.24,8.07) 97.99,8.33 ; 1.47,93.42 v1(1.72,93.16) ; v1(1.72,93.16) 1.47,92.91 ; v1(1.72,93.16) 1.98,93.42 ; v1(1.72,93.16) 1.98,92.91 ; 71.83,97.99 v1(71.57,98.24) 71.32,97.99 ; v1(90.62,66.49) 90.88,66.75 ; v1(90.62,66.49) 90.88,66.24 ; v1(90.62,66.49) 90.37,66.24 ; v1(90.62,66.49) 90.37,66.75 ; 67.51,64.97 v1(67.76,65.22) ; v1(67.76,65.22) 67.51,65.48 ; v1(67.76,65.22) 68.02,64.97 ; v1(67.76,65.22) 68.02,65.48 ; C58.2 8.77,31.38 8.86,31.29 v3(8.86,31.09) ; 68.78,97.99 v1(69.03,98.24) 69.29,97.99 ; 58.62,76.4 v1(58.87,76.65) 59.13,76.4 ; v1(41.09,8.07) 41.35,7.82 ; v1(41.09,8.07) 40.84,8.33 ; v1(41.09,8.07) 41.35,8.33 ; v1(41.09,8.07) 40.84,7.82 ; v1(64.24,35) 62.48,35 62.46,35.03 v1(62.13,35.03) v1(58.24,38.91) 58.01,39.14 58.01,39.17 v1(56.06,41.12) 55.5,41.68 55.37,41.68 55.26,41.79 ; 54.05,40.08 v1(53.79,39.82) 54.05,39.57 ; 57.35,97.99 v1(57.6,98.24) 57.86,97.99 ; 43.89,97.99 v1(43.63,98.24) 43.38,97.99 ; 76.91,97.99 v1(76.65,98.24) 76.4,97.99 ; 72.59,70.56 v1(72.84,70.3) ; v1(72.84,70.3) 72.59,70.05 ; v1(72.84,70.3) 73.1,70.05 ; v1(72.84,70.3) 73.1,70.56 ; 87.07,21.03 v1(86.81,20.77) 86.56,21.03 ; 73.86,19.25 v1(74.11,19.5) ; v1(74.11,19.5) 74.37,19.76 ; v1(74.11,19.5) 74.37,19.25 ; v1(74.11,19.5) 73.86,19.76 ; 85.8,71.32 v1(85.54,71.57) 85.29,71.32 ; 59.13,2.74 v1(58.87,2.99) 58.62,2.74 ; U15.36 v3(26.8,73.66) ; v1(86.72,59.16) 84.71,59.16 84.66,59.21 v1(84.33,59.21) 83.39,59.21 83.14,59.46 ; 83.26,54.05 v1(83,53.79) 83.26,53.54 ; 70.05,56.59 v1(70.3,56.33) 70.05,56.08 ; 51.51,76.4 v1(51.25,76.65) 51.51,76.91 ; 97.99,57.86 v1(98.24,57.6) 97.99,57.35 ; 91.64,97.99 v1(91.89,98.24) 92.15,97.99 ; 90.37,97.99 v1(90.62,98.24) 90.88,97.99 ; 31.19,97.99 v1(30.93,98.24) 30.68,97.99 ; C59.2 C66.2 4.68,37.94 arc(4.61,37.6) 4.42,37.31 v3(3.91,36.8) ; 6.55,16.71 v1(6.8,16.96) 6.55,17.22 ; 34.49,97.99 v1(34.74,98.24) 35,97.99 ; 31.95,97.99 v1(32.2,98.24) 32.46,97.99 ; v1(56.64,79.55) 56.79,79.7 C196.2 ; 97.99,79.45 v1(98.24,79.19) 97.99,78.94 ; 97.99,29.41 v1(98.24,29.66) 97.99,29.92 ; 14.68,27.38 v1(14.42,27.12) 14.68,26.87 ; 98.07,89.92 98.24,89.74 v1(98.24,89.35) v1(98.24,88.08) v1(98.24,86.81) 98.24,86.29 98.3,86.23 ; 49.94,36.47 v1(51.26,35.15) 53.39,33.02 53.41,33.02 v1(53.64,32.79) 53.88,32.56 53.88,32.41 57.45,28.83 57.5,28.83 v1(57.73,28.6) 62.07,24.26 62.1,24.26 v1(62.33,24.03) 62.97,23.39 v1(65.46,23.39) 66.32,23.39 66.55,23.62 ; 29.41,97.99 v1(29.66,98.24) 29.92,97.99 ; 42.82,47.88 U5.Y24 42.59,47.65 42.47,47.78 42.47,47.78 U5.AA24 U5.AA23 U5.Y23 42.82,47.88 42.82,47.88